# Altium PCB PCB1.PcbDoc (part 2 of 2)
Units mm, origin at the board's own origin, x right, y up, seen from the top; angles counter-clockwise.
Board outline 77.5 x 60 mm, 4 copper layers (Top Layer 1, Top Layer, Bottom Layer, Bottom Layer 1), stack 1.57 mm thick; 240 components, 175 nets, 735 pads, 474 vias.
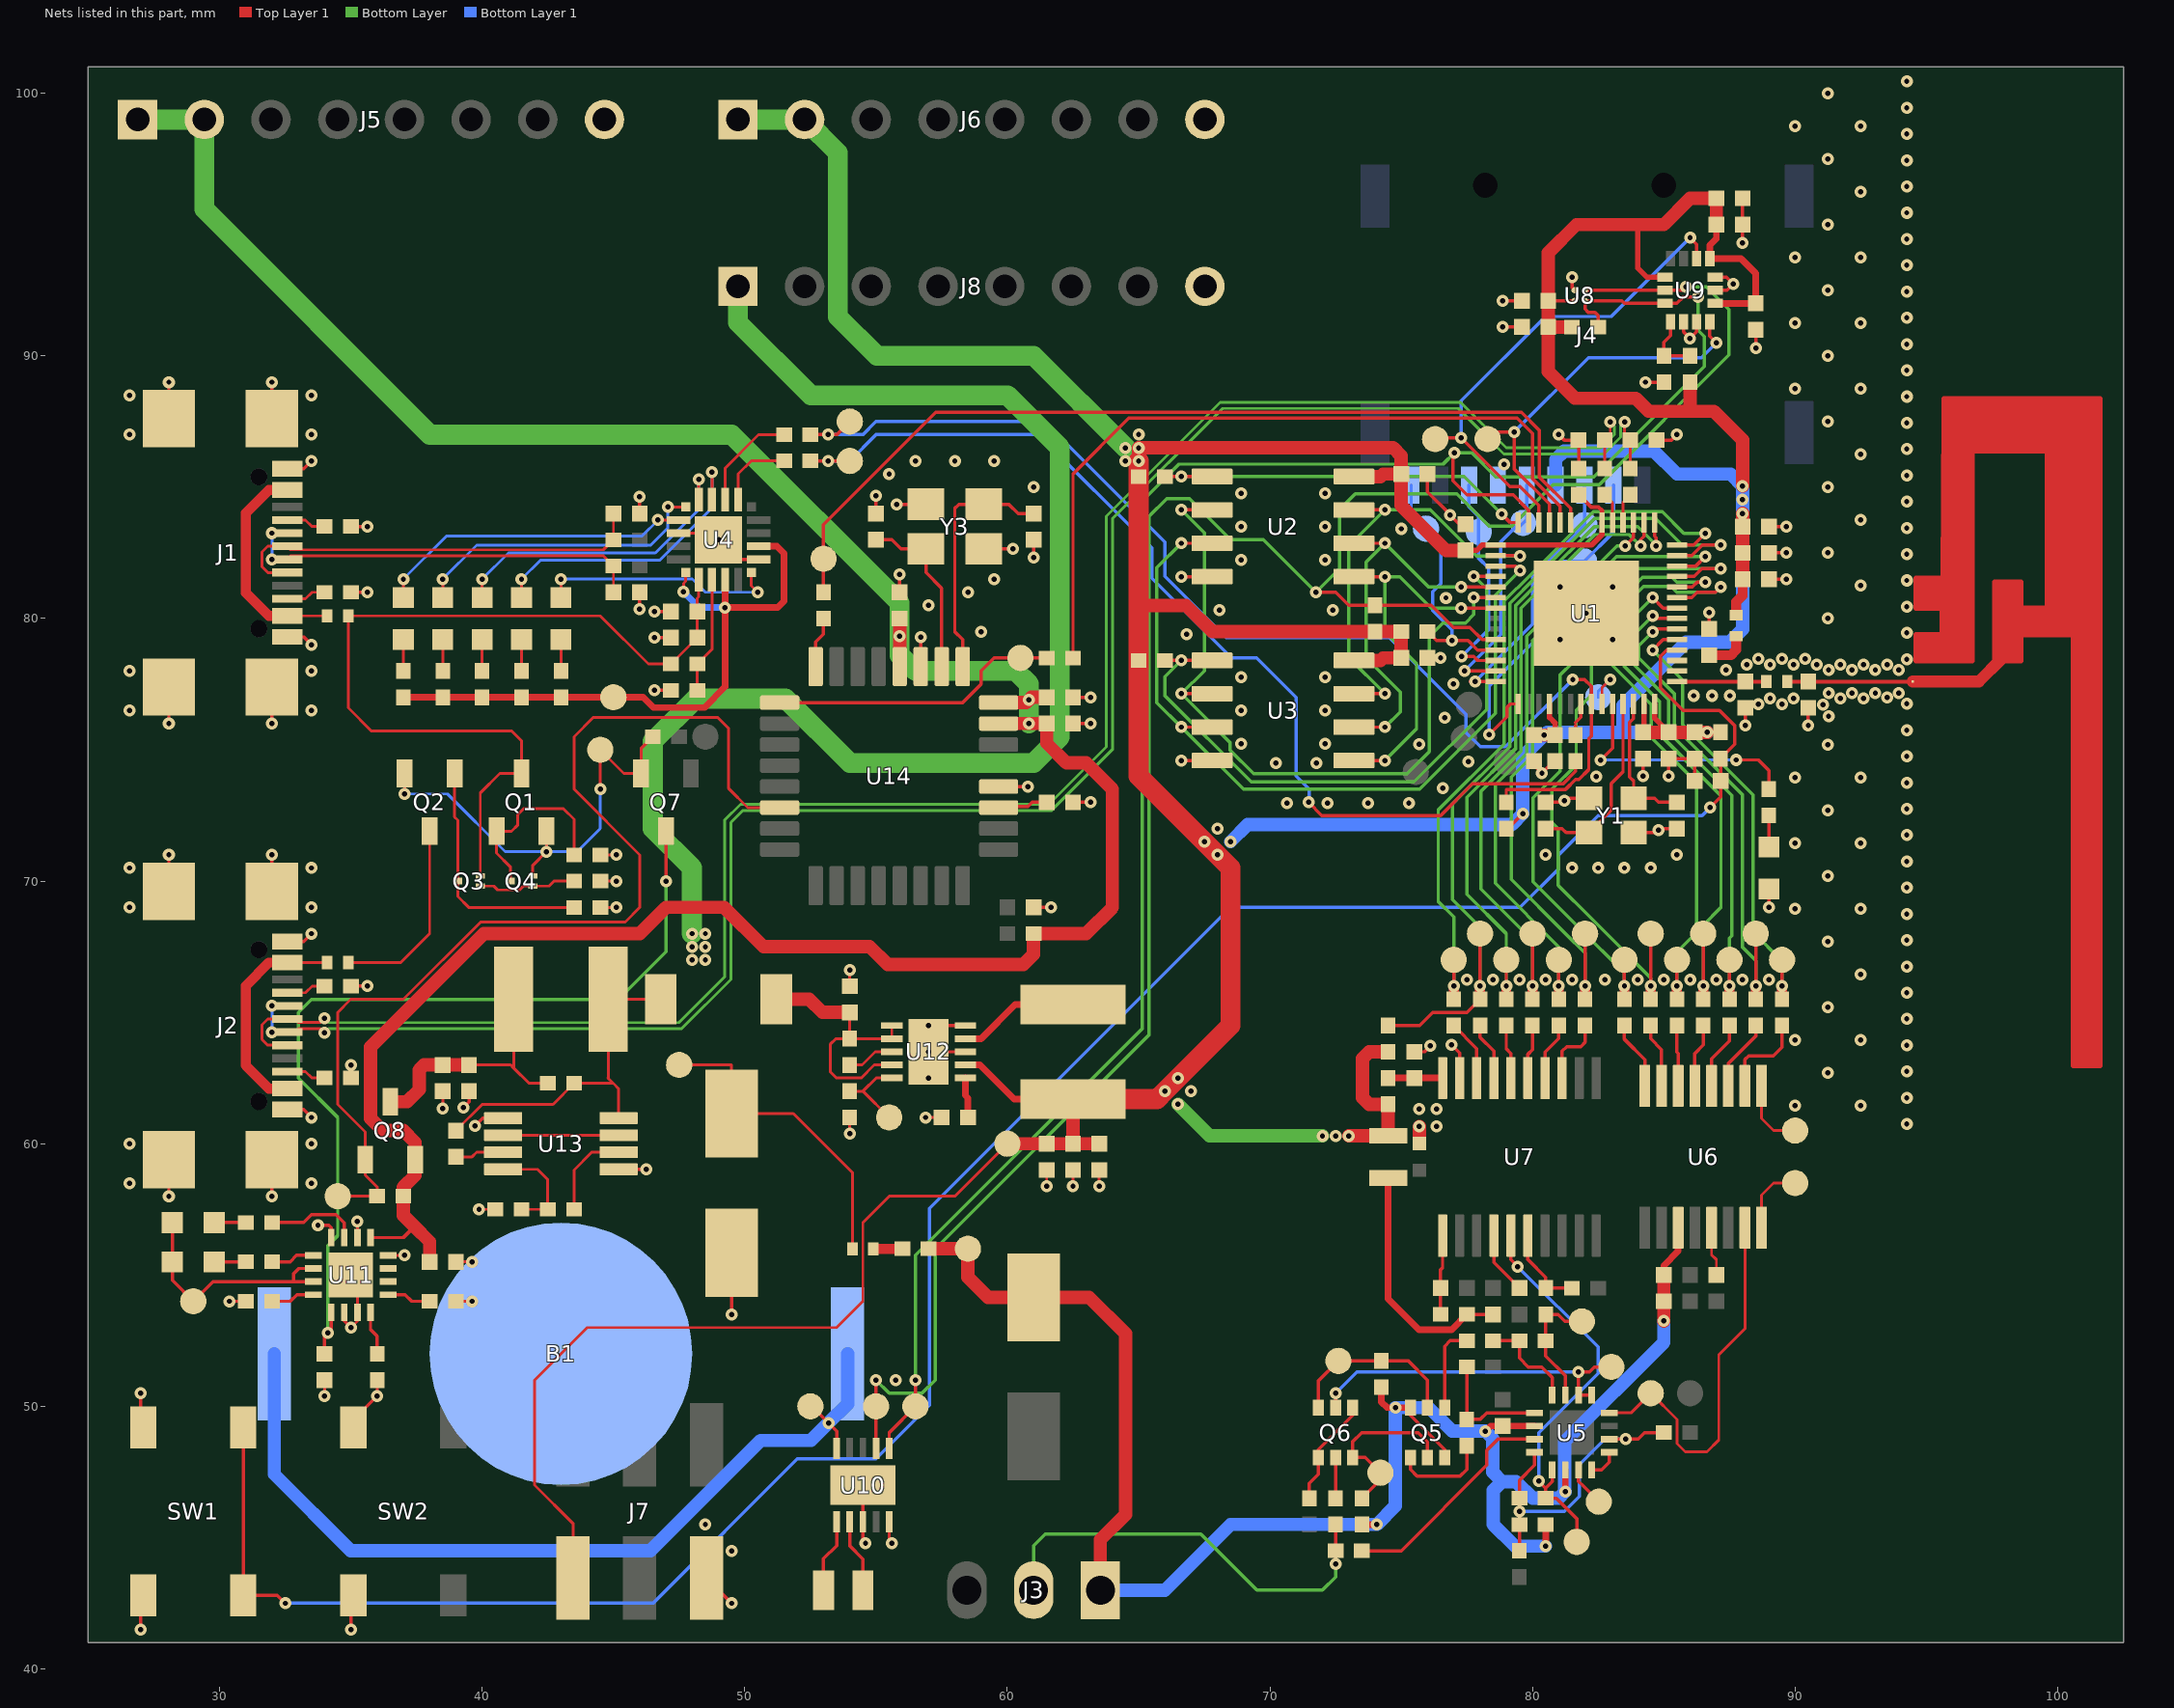
[diagram p4: the nets of this part, all layers, seen from the top]

## Via types
v1: diameter 0.46, hole 0.2, Top Layer 1 to Bottom Layer 1, tented both sides, 474 vias

## Nets (pads, with @x,y where several pads share a name; then routed paths per layer and width w, separated by ;. In a path a pad name is that pad's centre, name@x,y a point inside that pad or via, vN(x,y) a via of type N, cw(c..) or ccw(c..) an arc to the next point about the centre after c; other vN are vias at no path point) (continued)
ESP32_UART_RXD: R1.1 R17.2 TP2.1 U1.50 | length 45.6
  Top Layer 1 w0.127: R17.2@52.5,87 v1(53.171,87) 53.5,87 TP2.1@54,87.5 ; R1.1@79,73 79,73.493 81.258,73.493 81.635,73.869 81.763,73.869 82.142,74.248 82.142,75.413 82.246,75.517 U1.50@82.246,76.746 82.246,77.41 81.977,77.678 v1(81.534,77.678)
  Bottom Layer 1 w0.127: v1(53.171,87) 54.5,87 55,87.5 61.409,87.5 66,82.909 66,81.603 68.329,79.274 74.541,79.274 77.471,76.344 77.471,75.655 78.009,75.116 78.972,75.116 v1(81.534,77.678)
ESP32_UART_TXD: R2.2 R14.2 TP1.1 | length 40.2
  Top Layer 1 w0.127: R14.2@52.5,86 v1(53.171,86) TP1.1@54,86 ; v1(71.472,73.003) 71.975,72.5 76.5,72.5 77.709,73.709 81.169,73.709 81.636,74.176 R2.2@81.636,74.566
  Bottom Layer 1 w0.127: v1(53.171,86) 54,86 55,87 61.184,87 65.5,82.684 65.5,81.538 68.538,78.5 69.497,78.5 71,76.997 71,74 71.5,73.5 71.5,73.031 v1(71.472,73.003)
ESP32_USB_N: R21.2 U1.18 | length 1.2
  Top Layer 1 w0.107: U1.18@83.446,83.654 83.446,84.413 R21.2@83.746,84.714
ESP32_USB_P: R20.2 U1.19 | length 1.2
  Top Layer 1 w0.107: R20.2@82.746,84.714 83.046,84.415 U1.19@83.046,83.654
GND: B1.2 C1.1 C2.1 C3.1 C4.1 C5.1 C6.1 C8.1 C9.1 C10.1 C11.1 C12.1 C14.1 C15.1 C16.1 C17.2 C18.2 C19.1 C20.1 C21.1 C22.1 C23.1 C24.1 C25.1 C32.1 C34.2 C35.1 C36.1 C37.1 C38.1 C39.1 C40.1 C41.2 C42.1 C43.1 C44.1 C45.1 C47.1 C48.1 C49.1 C51.1 C52.1 C53.1 C55.2 C56.2 C57.2 C58.1 C59.1 D6.2 J1.0 J1.A1/B12 J1.A12/B1 J2.0 J2.A1/B12 J2.A12/B1 J4.6 J5.8 J6.8 J7.3 J8.8 NT1.1 R16.1 R18.1 R19.1 R22.1 R23.1 R24.2 R25.2 R26.2 R54.1 R61.1 R62.1 R63.1 R68.2 R69.1 SW1.1 SW1.2 SW2.1 SW2.2 U1.57 U2.4 U3.4 U4.3 U4.12 U4.21 U7.19 U8.A1 U9.2 U9.3 U9.6 U9.7 U10.3 U10.5 U10.11 U11.4 U11.6 U11.8 U11.14 U11.15 U11.17 U12.8 U12.10 U12.11 U13.1 U13.5 U14.3 U14.28 Y1.2 Y1.4 Y3.2 Y3.4 | length 98.2
  Top Layer 1 w0.107: v1(30.383,54) R62.1@31,54 ; v1(34,50.383) C39.1@34,51 ; v1(35,53) 35.25,53.25 U11.15@35.25,53.575 35.25,54.75 U11.17@35,55 ; U11.6@35.25,56.425 v1(35.25,57.042) ; v1(36,50.383) R61.1@36,51 ; U11.4@36.425,55.75 v1(37.042,55.75) ; v1(38.5,61.341) C47.1@38.5,62 ; R63.1@39,54 v1(39.617,54) ; C40.1@39,55.5 v1(39.617,55.5) ; v1(39.883,57.5) R69.1@40.5,57.5 ; R24.2@44.5,69 v1(45.117,69) ; R25.2@44.5,70 v1(45.117,70) ; R26.2@44.5,71 v1(45.117,71) ; v1(54,60.383) R68.2@54,61 ; C42.1@54,66 v1(54,66.617) ; v1(56.883,61) C49.1@57.5,61 ; v1(61.5,58.383) C45.1@61.5,59 ; v1(62.5,58.383) C44.1@62.5,59 ; v1(63.5,58.383) C43.1@63.5,59
  Top Layer 1 w0.127: v1(27,41.5) 27,42.7 SW1.1@27.1,42.8 ; v1(27,50.5) 27,49.3 SW1.2@27.1,49.2 ; v1(28.07,58) J2.0@28.07,59.39 ; J2.0@28.07,69.61 v1(28.07,71) ; v1(28.07,76) J1.0@28.07,77.39 ; J1.0@28.07,87.61 v1(28.07,89) ; v1(32,58) J2.0@32,59.39 ; J2.0@32,69.61 v1(32,71) ; v1(32,76) J1.0@32,77.39 ; J1.0@32,87.61 v1(32,89) ; J2.A12/B1@32.575,61.3 33.2,61.3 v1(33.5,61) ; J2.A1/B12@32.575,67.7 33.2,67.7 v1(33.5,68) ; J1.A12/B1@32.575,79.3 33.2,79.3 v1(33.5,79) ; J1.A1/B12@32.575,85.7 33.2,85.7 v1(33.5,86) ; v1(33.747,56.896) 34.159,56.896 34.25,56.805 U11.8@34.25,56.425 ; U11.14@34.75,53.575 34.75,53.25 v1(35,53) ; v1(35,41.5) 35,42.7 SW2.1@35.1,42.8 ; R22.1@35,62.5 v1(35,63) ; R23.1@35,66 v1(35.636,66) ; R18.1@35,81 v1(35.636,81) ; R19.1@35,83.5 v1(35.636,83.5) ; SW2.2@35.1,49.2 35.1,49.483 v1(36,50.383) ; v1(39.289,61.383) 39.5,61.594 C48.1@39.5,62 ; v1(39.728,60.683) 40.02,60.975 U13.1@40.8,60.975 ; U13.5@45.2,59.025 v1(46.25,59.025) ; v1(46,80.364) C21.1@46,81 ; C20.1@46,84 v1(46,84.636) ; v1(46.556,77.269) R16.1@47.192,77.269 ; v1(46.556,79.269) C22.1@47.192,79.269 ; v1(46.556,80.269) C23.1@47.192,80.269 ; U4.3@47.475,83.25 48.75,83.25 v1(49,83) 49.75,82.25 U4.12@50.525,82.25 ; J7.3@48.54,43.46 v1(49.5,42.5) ; v1(49.5,53.5) C41.2@49.5,55.85 ; U10.11@54.5,47 U10.3@54.5,45.603 54.5,44.883 v1(54.6,44.783) ; C57.2@55,84 v1(55,84.671) ; v1@55.5,44.883 U10.5@55.5,45.603 ; v1(55.787,84.35) Y3.2@56.9,84.35 ; C53.1@55.9,81 v1(55.9,81.671) ; U14.3@56.7,78.17 v1(56.7,79.283) ; v1(57,63.5) U12.8@58.397,63.5 ; v1(57,64.5) U12.10@58.397,64.5 ; Y3.4@59.1,82.65 v1(60.213,82.65) ; U14.28@59.67,73.6 v1(60.783,73.6) ; C55.2@61,69 v1(61.671,69) ; v1(61,82.329) C56.2@61,83 ; C58.1@62.5,73 v1(63.171,73) ; C52.1@62.5,76 v1(63.171,76) ; C51.1@62.5,77 v1(63.171,77) ; v1(66.625,74.595) U3.4@67.8,74.595 ; v1(66.625,81.595) U2.4@67.8,81.595 ; C32.1@75.5,63.5 75.883,63.5 v1(76.113,63.73) ; C16.1@76,78.5 v1(76.5,78.5) ; C12.1@76,85.5 76,84.825 v1@76.841,83.984 ; v1@76.799,83.942 76.801,83.94 v1(76.865,83.94) 77.21,83.595 C2.1@77.451,83.595 ; v1(76.914,63.759) 77.225,63.447 U7.19@77.225,62.5 ; v1(78.864,91.1) C35.1@79.6,91.1 ; v1(78.864,92.1) C34.2@79.6,92.1 ; C5.1@80.051,74.563 80.051,74.413 v1(80.358,74.106) 80.816,74.563 C6.1@80.856,74.563 ; C18.2@80.5,73 81.143,73 v1(81.208,73.065) 81.293,73.15 Y1.4@82.15,73.15 ; v1(81,87) 81.205,86.795 C24.1@81.746,86.795 81.757,86.785 C1.1@81.757,85.714 ; v1(81.5,93) 81.5,92.6 U8.A1@81.6,92.5 ; Y1.2@83.85,71.85 84.707,71.85 v1(84.792,71.935) 84.857,72 C17.2@85.5,72 ; v1(84.206,74) C59.1@84.206,74.666 ; v1(84.295,89) R54.1@85,89 ; C25.1@84.719,86.795 85.295,86.795 v1(85.5,87) ; v1(85.187,74) C15.1@85.187,74.666 C14.1@86.168,74.666 C19.1@86.168,73.814 ; U9.2@85.75,91.293 85.75,90.911 v1(85.995,90.666) 86.25,90.92 U9.3@86.25,91.293 ; C11.1@86.731,79.6 v1(86.731,80.22) ; U9.6@86.959,92.5 87.4,92.5 v1(87.641,92.741) 87.381,93 U9.7@86.959,93 ; v1(88,94.3) C37.1@88,96 ; v1(88.1,75.934) C3.1@88.1,76.6 ; v1(88.5,90.3) C38.1@88.5,91 ; v1(89,69) D6.2@89,69.7 ; C10.1@89,81.5 v1(89.666,81.5) ; C9.1@89,82.5 v1(89.666,82.5) ; C8.1@89,83.5 v1(89.666,83.5) ; v1(90.5,75.934) C4.1@90.5,76.6
  Top Layer 1 w0.508: NT1.1@75.69,60.008 v1(75.69,60.663)
  other v1: 49.5,44.5 55.6,44.783 48.5,45.5 55.75,51 26.57,58.5 33.5,58.5 26.57,60 33.5,60 76.345,60.663 94.25,60.75 75.69,61.318 76.345,61.318 90,61.45 92.5,61.45 94.25,61.75 57,62.5 91.25,62.7 94.25,62.75 94.25,63.75 90,63.95 92.5,63.95 94.25,64.75 91.25,65.2 94.25,65.75 77.5,66.25 78.5,66.25 79.5,66.25 80.5,66.25 81.5,66.25 82.75,66.25 84,66.25 85,66.25 86,66.25 87,66.25 88,66.25 89,66.25 92.5,66.45 94.25,66.75 91.25,67.7 94.25,67.75 94.25,68.75 90,68.95 92.5,68.95 26.57,69 33.5,69 94.25,69.75 91.25,70.2 26.57,70.5 33.5,70.5 81.5,70.5 82.5,70.5 83.5,70.5 84.5,70.5 94.25,70.75 80.5,71 85.5,71 90,71.45 92.5,71.45 94.25,71.75 91.25,72.7 94.25,72.75 70.641,72.977 72.19,72.977 73.739,72.977 75.289,72.977 76.591,73.54 94.25,73.75 90,73.95 92.5,73.95 82.418,73.982 70.227,74.499 71.776,74.499 77.562,74.554 94.25,74.75 75.683,75.206 91.25,75.2 68.905,75.229 72.095,75.229 94.25,75.75 76.654,76.22 91.273,76.275 26.57,76.5 33.5,76.5 68.905,76.499 72.095,76.499 91.058,76.72 88.604,76.735 89.494,76.735 94.25,76.75 89.049,76.95 89.939,76.95 91.719,76.95 92.61,76.95 93.5,77 86.14,77.059 86.832,77.059 87.523,77.059 91.273,77.165 92.164,77.165 93.054,77.165 93.945,77.165 76.994,77.507 68.905,77.769 72.095,77.769 26.57,78 33.5,78 87.363,78.04 91.273,78.035 92.164,78.035 93.054,78.035 93.945,78.035 88.159,78.25 89.049,78.25 89.939,78.25 90.829,78.25 91.719,78.25 92.61,78.25 93.5,78.25 88.604,78.465 89.494,78.465 90.384,78.465 94.25,78.45 81.046,79.2 83.046,79.2 66.83,79.393 94.25,79.45 59,79.5 91.25,80 82.046,80.2 68.074,80.321 72.387,80.321 94.25,80.45 57,80.5 76.703,80.788 58.5,81 81.046,81.2 83.046,81.2 92.5,81.25 94.25,81.45 59.5,81.5 68.905,82.229 72.095,82.229 94.25,82.45 91.25,82.5 75.008,83.416 94.25,83.45 68.905,83.499 72.095,83.499 92.5,83.75 94.25,84.45 68.905,84.769 72.095,84.769 61,85 91.25,85 94.25,85.45 55.5,85.5 78.912,85.871 56.5,86 58,86 59.5,86 92.5,86.25 94.25,86.45 26.57,87 33.5,87 94.25,87.45 91.25,87.5 94.25,88.45 26.57,88.5 33.5,88.5 90,88.75 92.5,88.75 94.25,89.45 91.25,90 94.25,90.45 90,91.25 92.5,91.25 94.25,91.45 94.25,92.45 91.25,92.5 94.25,93.45 90,93.75 92.5,93.75 94.25,94.45 91.25,95 94.25,95.45 92.5,96.25 94.25,96.45 94.25,97.45 91.25,97.5 94.25,98.45 90,98.75 92.5,98.75 94.25,99.45 91.25,100 94.25,100.45
I2C_SCL: R50.1 TP38.1 U1.38 U8.A2 U9.13 U10.7 | length 86.7
  Top Layer 1 w0.127: U10.7@55,48.397 TP38.1@55,50 v1(55,51) ; v1(71.75,81) 72.5,81 73,80.5 R50.1@74,80.5 76.149,80.5 76.985,79.663 77.618,79.663 78.081,79.2 U1.38@78.591,79.2 ; U8.A2@82,92.5 U9.13@85.041,92.5 85.713,92.5 v1(85.848,92.634)
  Bottom Layer w0.127: v1(55,51) 55.5,50.5 56.75,50.5 57.25,51 57.25,56 65.386,64.136 65.386,76.798 65.386,81.932 65.386,83.886 66.069,84.569 66.931,84.569 68.5,83 69.75,83 v1(71.75,81) 72.651,81.901 72.651,84.151 73.25,84.75 77.117,84.75 78.345,83.522 79.204,83.522 80.782,85.1 82.545,85.1 87.485,90.04 87.485,91.765 86.616,92.634 v1(85.848,92.634)
I2C_SDA: R51.1 TP37.1 U1.27 U8.B2 U9.14 U10.6 | length 77.8
  Top Layer 1 w0.127: U10.6@55.5,48.397 55.5,49 TP37.1@56.5,50 v1(56.5,51) ; v1(77.021,86.305) 76.971,86.256 76.971,85.25 77.507,84.714 79.259,84.714 79.846,84.128 U1.27@79.846,83.654 ; R51.1@82.5,91.1 82.5,91.535 82.38,91.655 82.122,91.655 82,91.777 U8.B2@82,92.1 83.4,92.1 83.5,92 U9.14@85.041,92 85.5,92 85.744,92.244 v1(86.301,92.244)
  Bottom Layer w0.127: v1(56.5,51) 56.5,55.75 65.13,64.38 65.13,84.475 66.533,85.878 76.594,85.878 v1(77.021,86.305) 77.695,86.305 78.609,85.391 82.335,85.391 86.535,89.591 86.535,90.744 86.301,90.977 v1(86.301,92.244)
ISM330_INT1: TP35.1 U1.25 U9.4 | length 15.1
  Top Layer 1 w0.127: TP35.1@78.292,86.83 78.563,87.101 v1(79.295,87.101) 79.295,85.705 80.646,84.354 U1.25@80.646,83.654 ; U9.4@86.75,91.293 86.75,90.75 v1(87,90.5)
  Bottom Layer 1 w0.127: v1(79.295,87.101) 82.13,89.936 86.436,89.936 v1(87,90.5)
ISM330_INT2: TP36.1 U1.26 U9.9 | length 19.3
  Top Layer 1 w0.127: TP36.1@76.292,86.83 76.335,86.873 v1(77.289,86.873) 77.857,86.305 79.136,85.026 79.52,85.026 80.246,84.301 U1.26@80.246,83.654 ; v1(86,94.5) 86.25,94.25 U9.9@86.25,93.706
  Bottom Layer 1 w0.127: v1(77.289,86.873) 77.289,88.289 80.5,91.5 83,91.5 v1(86,94.5)
LOAD_CELL_IN: J3.2 R28.1 R31.1 | length 16.5
  Top Layer 1 w0.127: v1(72.5,44) R31.1@72.5,45.5
  Bottom Layer w0.127: J3.2@61,43 61,44.694 61.438,45.132 67.368,45.132 69.5,43 72,43 72.5,43.5 v1(72.5,44)
MAIN_PWR_EN: Q8.1 R65.1 TP52.1 U14.14 | length 40.7
  Top Layer 1 w0.107: TP52.1@34.5,58 R65.1@36,58 36,58.358 35.55,58.808 Q8.1@35.55,59.4 35.55,60.45 34.5,61.5 34.5,65 35,65.5 37,65.5 39.945,68.445 45.445,68.445 46,69 46,71 43.5,73.5 43.5,75.5 44.229,76.229 48.969,76.229 49.388,75.81 49.388,73.525 50.114,72.8 U14.14@51.33,72.8
MCP3561_CS: R44.1 TP22.1 U1.12 | length 26.3
  Top Layer 1 w0.127: v1(82,66) TP22.1@82,68 ; U1.12@85.5,82 86.219,82 v1(86.578,82.359)
  Top Layer 1 w0.381: R44.1@82,65.5 v1(82,66)
  Bottom Layer w0.127: v1(82,66) 82,67.25 81.25,68 79.187,70.063 79.187,73.958 79.997,74.768 79.997,79.163 83.194,82.359 v1(86.578,82.359)
MCP3561_IRQ: R43.1 R48.1 TP24.1 U1.13 | length 33.9
  Top Layer 1 w0.127: R43.1@74.5,64.5 75.702,64.5 76.205,65.003 77.503,65.003 R48.1@78,65.5 ; v1(78,66) TP24.1@78,68 ; U1.13@85.5,82.4 86.066,82.4 86.466,82.8 v1(87.159,82.8)
  Top Layer 1 w0.381: R48.1@78,65.5 v1(78,66)
  Bottom Layer w0.127: v1(78,66) 78,68.249 76.952,69.297 76.952,72.944 79.134,75.126 79.134,80.576 80.117,81.56 82.37,83.812 84.688,83.812 85.7,82.8 v1(87.159,82.8)
MCP3561_MCLK: R49.1 TP25.1 U1.14 | length 28.1
  Top Layer 1 w0.127: v1(77,66) TP25.1@77,67 ; U1.14@85.5,82.8 86.139,82.8 v1(86.578,83.239)
  Top Layer 1 w0.381: R49.1@77,65.5 v1(77,66)
  Bottom Layer w0.127: v1(77,66) 77,68.63 76.409,69.221 76.409,72.706 78.918,75.215 78.918,80.665 79.902,81.649 82.313,84.061 84.939,84.061 85.761,83.239 v1(86.578,83.239)
NetANT1_1: ANT1.1 C4.2 L1.2 | length 4.8
  Top Layer 1 w0.147: L1.2@89.7,77.6 C4.2@90.5,77.6 ANT1.1@94.5,77.6
NetB1_1: B1.1 TP45.1 U10.10 | length 33.9
  Top Layer 1 w0.127: TP45.1@52.5,50 52.554,50 v1(53.19,49.364) 53.5,49.054 U10.10@53.5,48.397
  Bottom Layer 1 w0.508: B1.1@32.085,52 32.085,47.415 35,44.5 46.407,44.5 50.609,48.703 52.529,48.703 v1(53.19,49.364) 53.915,50.089 B1.1@53.915,52
NetC3_2: C3.2 L1.1 U1.1 | length 3.4
  Top Layer 1 w0.147: U1.1@85.5,77.6 C3.2@88.1,77.6 L1.1@88.9,77.6
NetC11_2: C11.2 L2.2 U1.2 U1.3 | length 1.6
  Top Layer 1 w0.381: C11.2@86.731,78.6 87.552,78.6 87.761,78.809 L2.2@87.761,79.33
NetC17_1: C17.1 U1.54 Y1.3 | length 5.4
  Top Layer 1 w0.127: U1.54@83.846,76.746 83.846,76.191 83.701,76.047 83.701,73.962 83.85,73.814 Y1.3@83.85,73.15 84.65,73.15 84.8,73 C17.1@85.5,73
NetC18_1: C18.1 U1.53 Y1.1 | length 7.1
  Top Layer 1 w0.127: C18.1@80.5,72 81.128,72 81.278,71.85 Y1.1@82.15,71.85 83,72.7 83,73.715 83.446,74.161 U1.53@83.446,76.746
NetC19_2: C19.2 R5.1 SW1.3 SW1.4 U1.4 | length 88.5
  Top Layer 1 w0.127: SW1.4@30.9,49.2 SW1.3@30.9,42.8 32.2,42.8 v1(32.5,42.5) ; U1.4@85.5,78.8 85.115,78.8 84.873,78.558 84.873,77.365 85.738,76.5 87.121,76.5 87.701,75.92 87.701,75.217 R5.1@87.149,74.666 R5.1@87.199,74.666 ; v1(86.766,72.808) 87.168,73.211 R5.1@87.168,74.666
  Bottom Layer 1 w0.127: v1(32.5,42.5) 46.5,42.5 52,48 55,48 57.035,50.035 57.035,57.536 68.499,69 79.525,69 80.982,70.458 80.982,70.982 82.5,72.5 86.458,72.5 v1(86.766,72.808)
NetC22_2: C22.2 C23.2 L3.2 Q1.3 Q3.2 R12.1 U4.7 | length 33.6
  Top Layer 1 w0.107: Q3.2@39.93,70.19 39.93,73.36 40.67,74.1 Q1.3@41.5,74.1 41.5,75.343 41.132,75.711 35.789,75.711 34.9,76.6 L3.2@34.9,80.1 44.498,80.1 46.329,78.269 R12.1@47.192,78.269 C22.2@48.192,79.269 C23.2@48.192,80.269 48.183,80.277 48.183,80.771 48.25,80.838 U4.7@48.25,81.475
NetC29_1: C29.1 U6.13 | length 1.9
  Top Layer 1 w0.107: U6.13@86.818,56.8 86.818,55.769 87,55.586 C29.1@87,55
NetC30_2: C30.2 R37.1 U7.1 | length 3
  Top Layer 1 w0.127: R37.1@76.5,53.5 C30.2@76.5,54.5 76.5,55.205 76.575,55.28 U7.1@76.575,56.5
NetC31_2: C31.2 L5.1 R37.2 | length 9.3
  Top Layer 1 w0.127: R37.2@77.5,53.5 C31.2@78.5,53.5
  Top Layer 1 w0.254: L5.1@74.5,58.7 74.5,54.097 75.681,52.916 76.916,52.916 R37.2@77.5,53.5
NetC32_2: C32.2 R42.1 U7.20 | length 2.1
  Top Layer 1 w0.254: R42.1@74.5,62.5 C32.2@75.5,62.5 U7.20@76.575,62.5
NetC33_2: C33.2 U7.4 | length 2.4
  Top Layer 1 w0.127: U7.4@78.525,56.5 78.525,55.475 C33.2@79.5,54.5
NetC39_2: C39.2 Q7.3 U11.13 | length 34.2
  Top Layer 1 w0.127: C39.2@34,52 34,52.68 v1(34.125,52.805) 34.25,52.93 U11.13@34.25,53.575 ; v1(47,70) Q7.3@47,71.9
  Bottom Layer w0.127: v1(34.125,52.805) 34.125,56.125 34.5,56.5 34.5,61 33,62.5 33,65 33.5,65.5 45.189,65.5 47,67.311 v1(47,70)
NetC46_1: C46.1 D9.2 L6.2 R66.1 U13.8 | length 13.4
  Top Layer 1 w0.107: C46.1@39,60.5 40,61.5 42.7,61.5 R66.1@43.5,62.3 44.989,62.3 ; U13.8@45.2,60.975 45.2,62.089 44.989,62.3 ; D9.2@46.8,65.5 L6.2@44.8,65.5 44.8,62.511 44.789,62.5 44.989,62.3
NetC46_2: C46.2 U13.3 | length 1.9
  Top Layer 1 w0.107: C46.2@39,59.5 39.613,59.5 39.788,59.675 U13.3@40.8,59.675
NetC47_2: C47.2 C48.2 L6.1 Q8.3 R66.2 | length 9.9
  Top Layer 1 w0.107: C48.2@39.5,63 41.084,63 41.2,62.884 ; L6.1@41.2,65.5 41.2,62.884 ; R66.2@42.5,62.3 41.784,62.3 41.2,62.884
  Top Layer 1 w0.508: Q8.3@36.5,61.6 37.144,61.6 37.603,62.058 37.603,62.812 37.79,63 C47.2@38.5,63 C48.2@39.5,63
NetC49_2: C49.2 U12.6 | length 1.5
  Top Layer 1 w0.254: U12.6@58.397,62.5 58.397,61.846 58.5,61.743 C49.2@58.5,61
NetC56_1: C56.1 U14.1 Y3.1 | length 9.4
  Top Layer 1 w0.127: U14.1@58.3,78.17 58.3,79.194 58,79.494 58,84.202 58.148,84.35 Y3.1@59.1,84.35 60.058,84.35 60.408,84 C56.1@61,84
NetC57_1: C57.1 U14.2 Y3.3 | length 6.8
  Top Layer 1 w0.127: C57.1@55,83 55.594,83 55.944,82.65 Y3.3@56.9,82.65 56.9,81.755 57.5,81.155 U14.2@57.5,78.17
NetC58_2: C58.2 U14.27 | length 1.9
  Top Layer 1 w0.127: U14.27@59.67,72.8 59.711,72.841 60.79,72.841 60.949,73 C58.2@61.5,73
NetD1_1: D1.1 R7.1 | length 1.2
  Top Layer 1 w0.107: R7.1@37,78 D1.1@37,79.2
NetD1_2: D1.2 U4.2 | length 12.1
  Top Layer 1 w0.107: D1.2@37,80.8 v1(37,81.5) ; v1(46.695,83.75) U4.2@47.475,83.75
  Bottom Layer 1 w0.107: v1(37,81.5) 38.635,83.135 46.08,83.135 v1(46.695,83.75)
NetD2_1: D2.1 R8.1 | length 1.2
  Top Layer 1 w0.107: R8.1@38.5,78 D2.1@38.5,79.2
NetD2_2: D2.2 U4.1 | length 11.6
  Top Layer 1 w0.107: D2.2@38.5,80.8 v1(38.5,81.5) ; v1(47.069,84.25) U4.1@47.75,84.25
  Bottom Layer 1 w0.107: v1(38.5,81.5) 39.79,82.79 46.419,82.79 47.069,83.44 v1(47.069,84.25)
NetD3_1: D3.1 R9.1 | length 1.2
  Top Layer 1 w0.107: R9.1@40,78 D3.1@40,79.2
NetD3_2: D3.2 U4.20 | length 12
  Top Layer 1 w0.107: D3.2@40,80.8 v1(40,81.5) ; U4.20@48.25,84.525 v1(48.25,85.305)
  Bottom Layer 1 w0.107: v1(40,81.5) 41,82.5 46.597,82.5 48.25,84.153 v1(48.25,85.305)
NetD4_1: D4.1 R10.1 | length 1.2
  Top Layer 1 w0.107: R10.1@41.5,78 D4.1@41.5,79.2
NetD4_2: D4.2 U4.19 | length 11.5
  Top Layer 1 w0.107: D4.2@41.5,80.8 v1(41.5,81.5) ; U4.19@48.75,84.525 v1(48.75,85.58)
  Bottom Layer 1 w0.107: v1(41.5,81.5) 42.225,82.225 46.768,82.225 48.75,84.207 v1(48.75,85.58)
NetD5_1: D5.1 R11.1 | length 1.2
  Top Layer 1 w0.107: R11.1@43,78 D5.1@43,79.2
NetD5_2: D5.2 U4.11 | length 9.3
  Top Layer 1 w0.107: D5.2@43,80.8 v1(43,81.5) ; U4.11@50.25,81.75 50.25,81.25 v1(50.5,81)
  Bottom Layer 1 w0.107: v1(43,81.5) 48,81.5 48.5,81 v1(50.5,81)
NetD6_1: D6.1 R55.1 | length 1.2
  Top Layer 1 w0.127: D6.1@89,71.3 R55.1@89,72.5
NetD7_1: D7.1 D8.1 TP47.1 U11.10 U11.11 | length 9.4
  Top Layer 1 w0.127: D7.1@28.2,57 D8.1@28.2,55.5 28.2,54.8 TP47.1@29,54 29.75,54.75 32.827,54.75 ; U11.11@33.575,54.75 32.827,54.75 ; U11.10@33.575,55.25 33.021,55.25 32.827,55.057 32.827,54.75
NetD7_2: D7.2 R58.2 | length 1.2
  Top Layer 1 w0.127: D7.2@29.8,57 R58.2@31,57
NetD8_2: D8.2 R59.2 | length 1.2
  Top Layer 1 w0.127: D8.2@29.8,55.5 R59.2@31,55.5
NetJ1_A4/B9: J1.A4/B9 J1.A9/B4 L3.1 | length 8.4
  Top Layer 1 w0.107: J1.A9/B4@32.575,80.1 L3.1@34.1,80.1
  Top Layer 1 w0.381: J1.A9/B4@32.575,80.1 31.884,80.1 31,80.984 31,84.016 31.884,84.9 J1.A4/B9@32.575,84.9
NetJ1_A5: J1.A5 R19.2 | length 1.5
  Top Layer 1 w0.107: J1.A5@32.575,83.75 33.272,83.75 33.522,83.5 R19.2@34,83.5
NetJ1_B5: J1.B5 R18.2 | length 1.5
  Top Layer 1 w0.107: J1.B5@32.575,80.75 33.272,80.75 33.522,81 R18.2@34,81
NetJ2_A4/B9: J2.A4/B9 J2.A9/B4 L4.1 | length 8.4
  Top Layer 1 w0.107: J2.A4/B9@32.575,66.9 L4.1@34.1,66.9
  Top Layer 1 w0.381: J2.A9/B4@32.575,62.1 31.884,62.1 31,62.984 31,66.016 31.884,66.9 J2.A4/B9@32.575,66.9
NetJ2_A5: J2.A5 R23.2 | length 1.5
  Top Layer 1 w0.107: J2.A5@32.575,65.75 33.272,65.75 33.522,66 R23.2@34,66
NetJ2_B5: J2.B5 R22.2 | length 1.5
  Top Layer 1 w0.107: J2.B5@32.575,62.75 33.272,62.75 33.522,62.5 R22.2@34,62.5
NetL4_2: L4.2 Q2.3 | length 7.5
  Top Layer 1 w0.107: L4.2@34.9,66.9 36.9,66.9 38,68 Q2.3@38,71.9
NetL7_1: L7.1 U12.9 | length 4.6
  Top Layer 1 w0.254: U12.9@58.397,64 59,64 60.3,65.3 L7.1@62.5,65.3
NetL8_2: L8.2 R70.1 | length 1.1
  Top Layer 1 w0.381: L8.2@54.9,56 R70.1@56,56
NetQ1_1: Q1.1 Q4.3 R26.1 | length 7.2
  Top Layer 1 w0.107: Q4.3@41.07,70 41.07,70.546 40.55,71.066 Q1.1@40.55,71.9 41.115,71.9 41.359,72.144 41.359,72.54 41.573,72.754 43.102,72.754 43.5,72.356 R26.1@43.5,71
NetQ2_1: Q2.1 Q3.3 R24.1 | length 9.3
  Top Layer 1 w0.107: Q2.1@38.95,74.1 38.95,72.44 39.07,72.32 Q3.3@39.07,70 39.07,69.417 39.487,69 R24.1@43.5,69
NetQ3_1: Q3.1 Q4.1 R25.1 | length 3.8
  Top Layer 1 w0.107: Q3.1@39.93,69.81 40.447,69.81 40.594,69.663 41.421,69.663 41.568,69.81 Q4.1@41.93,69.81 42.551,69.81 42.741,70 R25.1@43.5,70
NetQ5_1: Q5.1 R39.1 | length 3.7
  Top Layer 1 w0.127: Q5.1@75.35,48.05 75.35,47.592 75.601,47.341 77.237,47.341 77.5,47.604 R39.1@77.5,48.5
NetQ5_2: Q5.2 Q6.6 R32.1 TP11.1 | length 6.9
  Top Layer 1 w0.127: R32.1@73.5,46.5 74.208,47.208 TP11.1@74.208,47.47 73.628,48.05 Q6.6@73.15,48.05 73.15,48.655 73.495,49 75.643,49 76,48.643 Q5.2@76,48.05